# Altium PCB project.PcbDoc
Units mil, origin at the board's own origin, x right, y up, seen from the top; angles counter-clockwise.
Board outline 3310 x 3070 mil, 2 copper layers (Top Layer, Bottom Layer); 45 components, 94 nets, 295 pads, 35 vias.
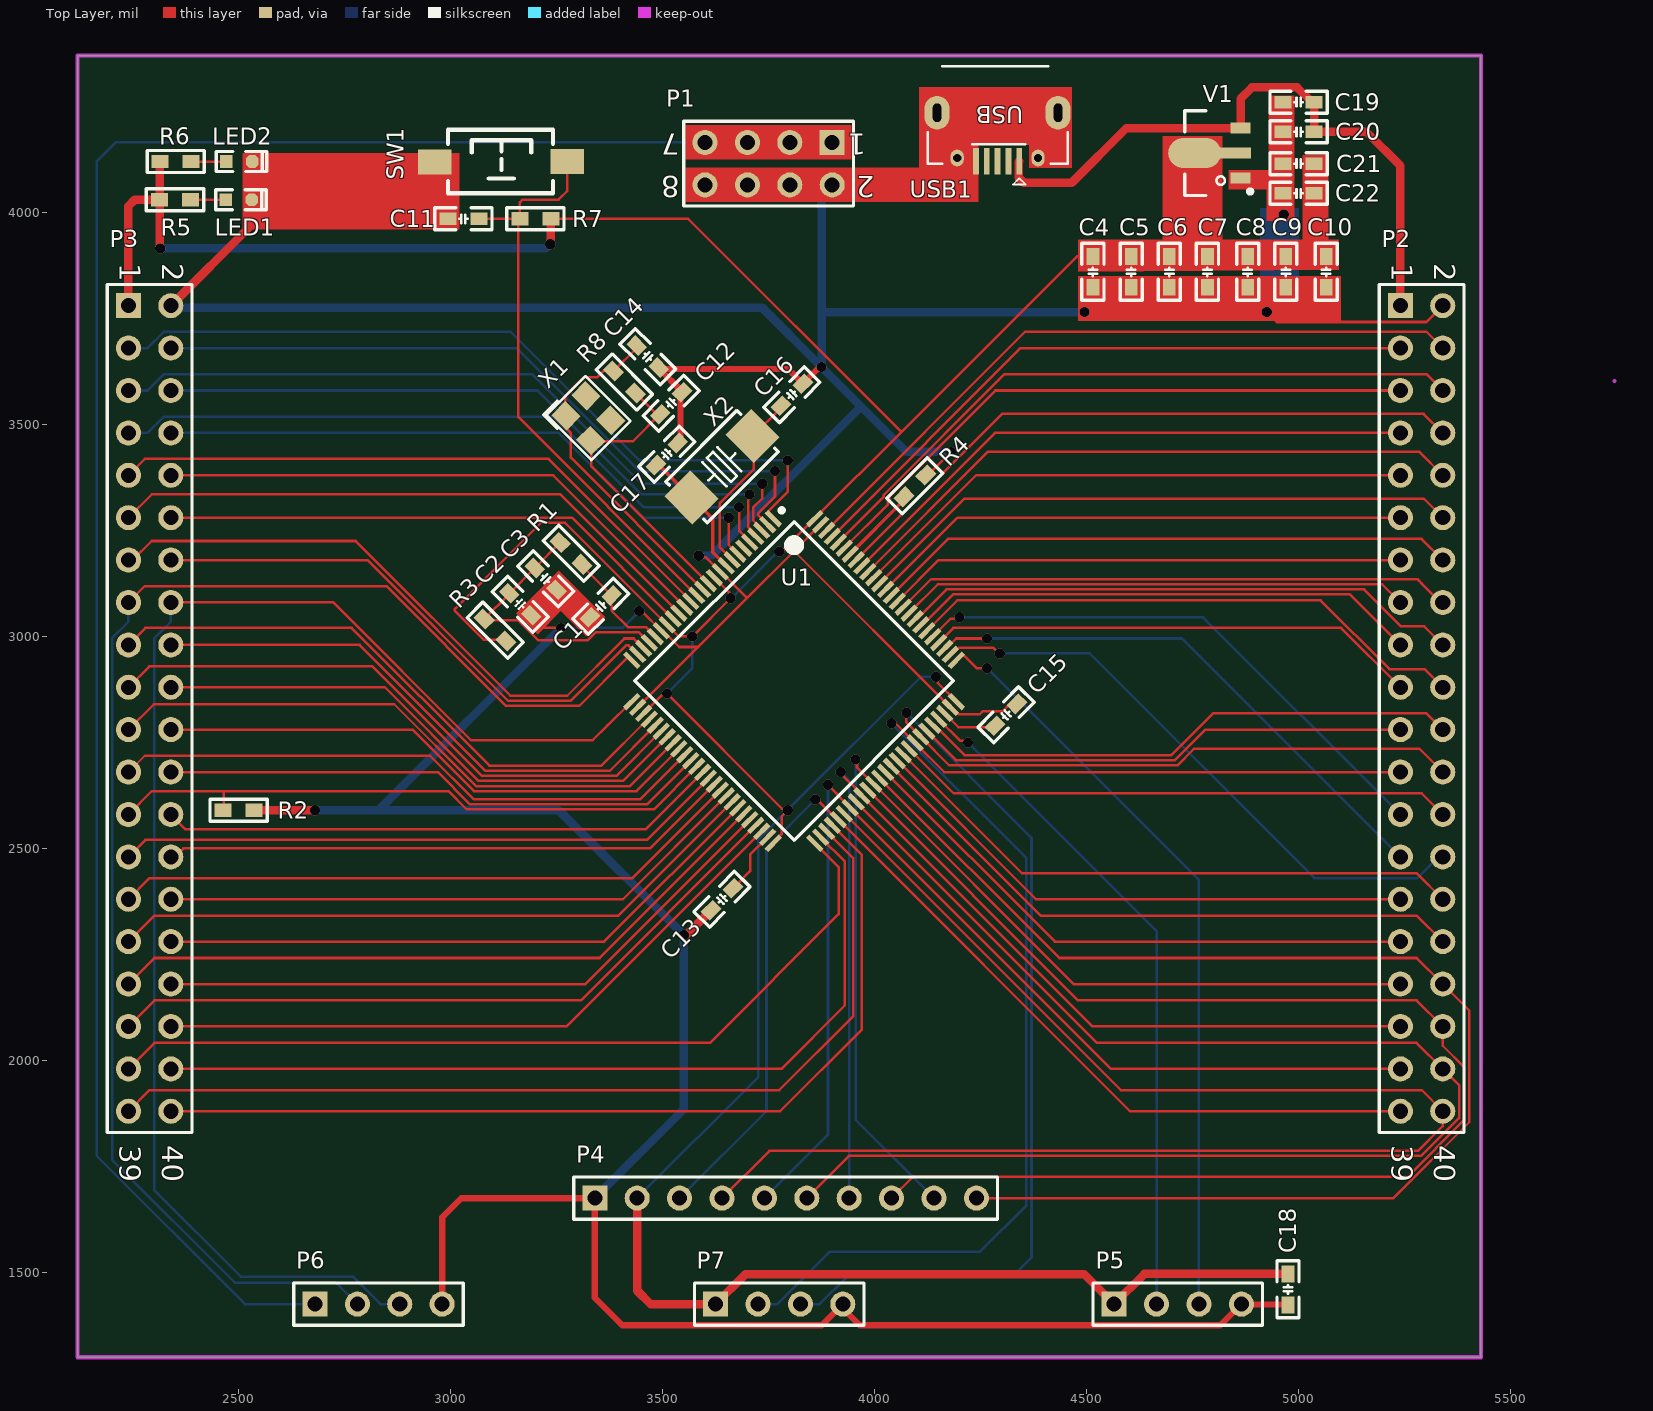
[diagram p0: Top Layer view]
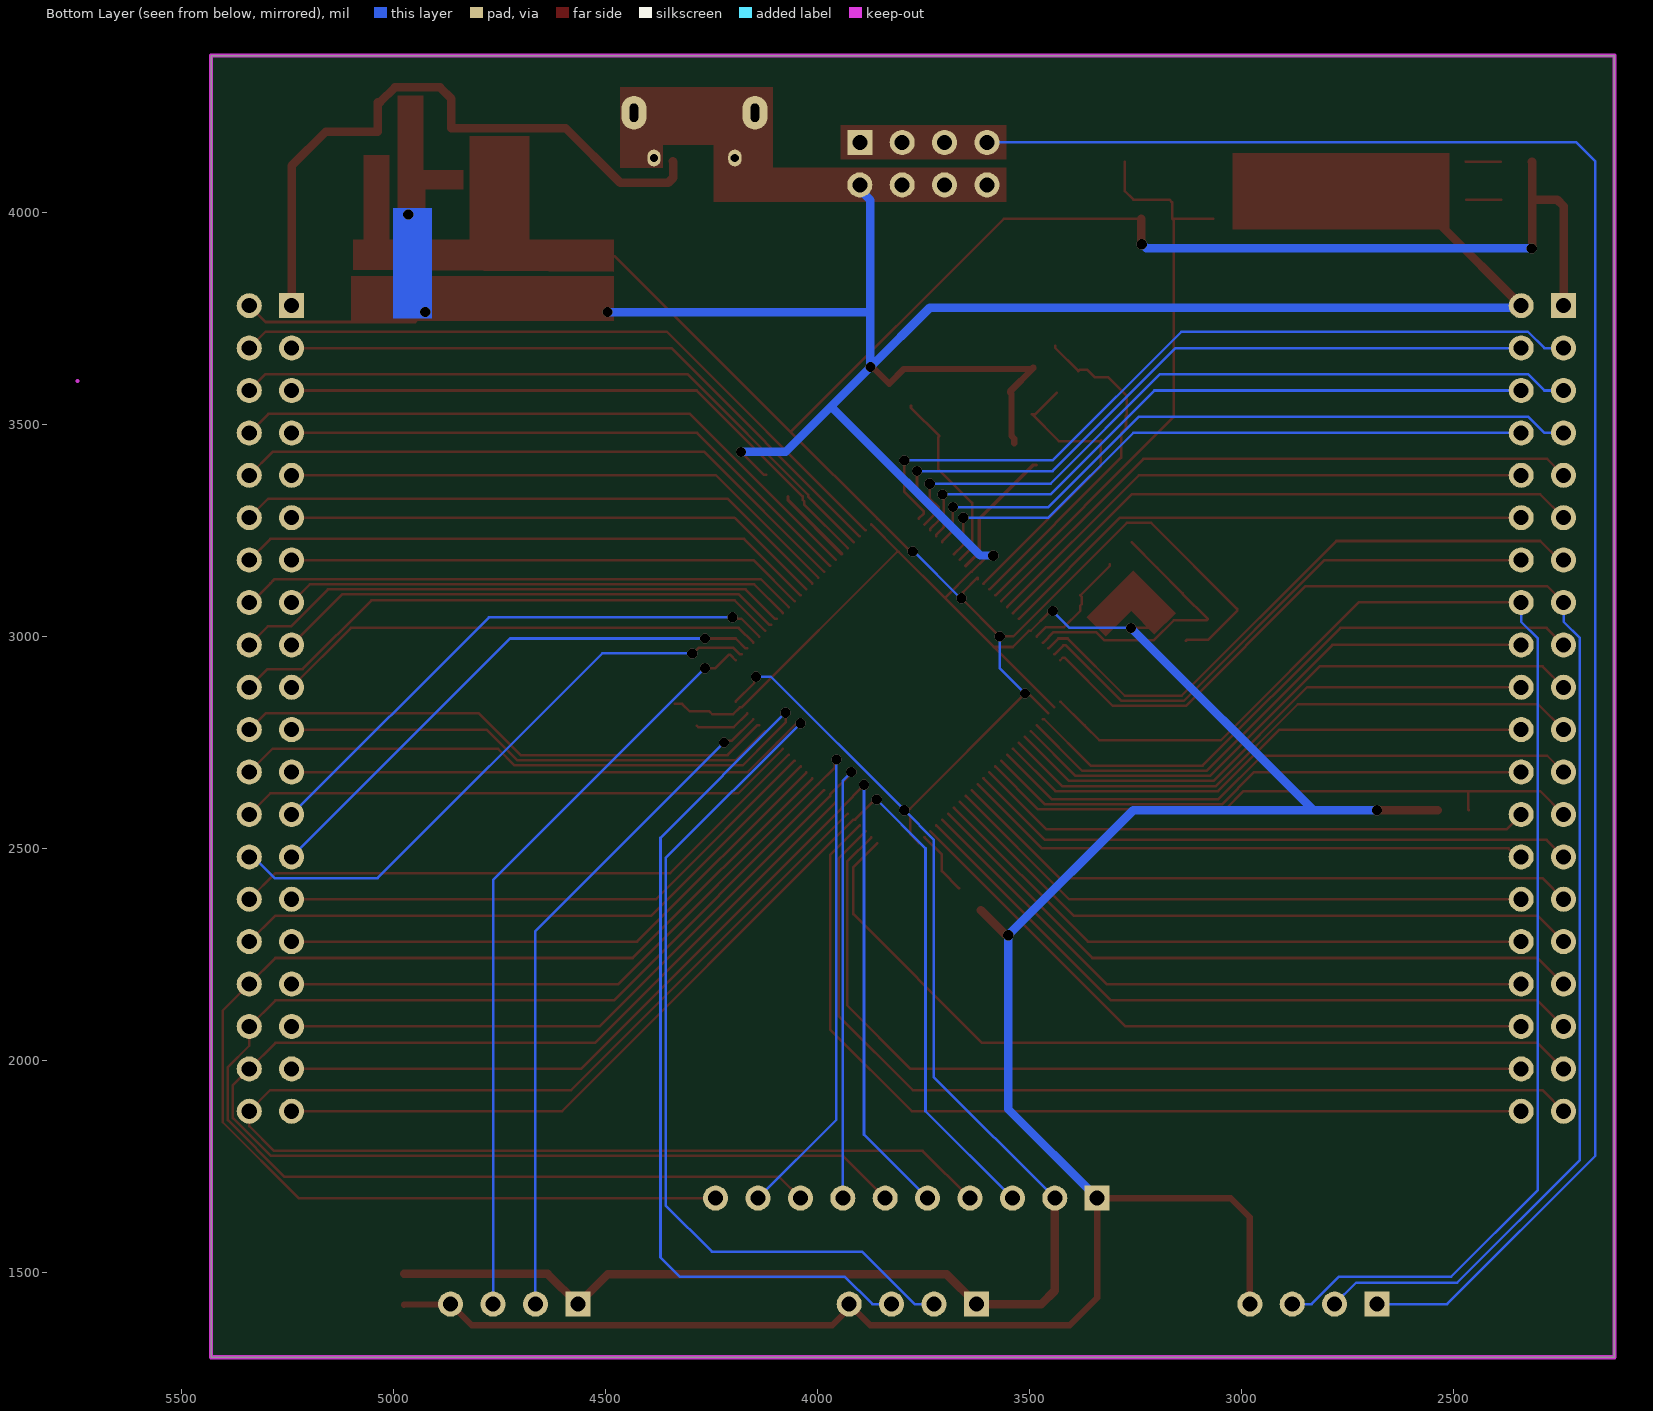
[diagram p1: Bottom Layer view, seen from below]
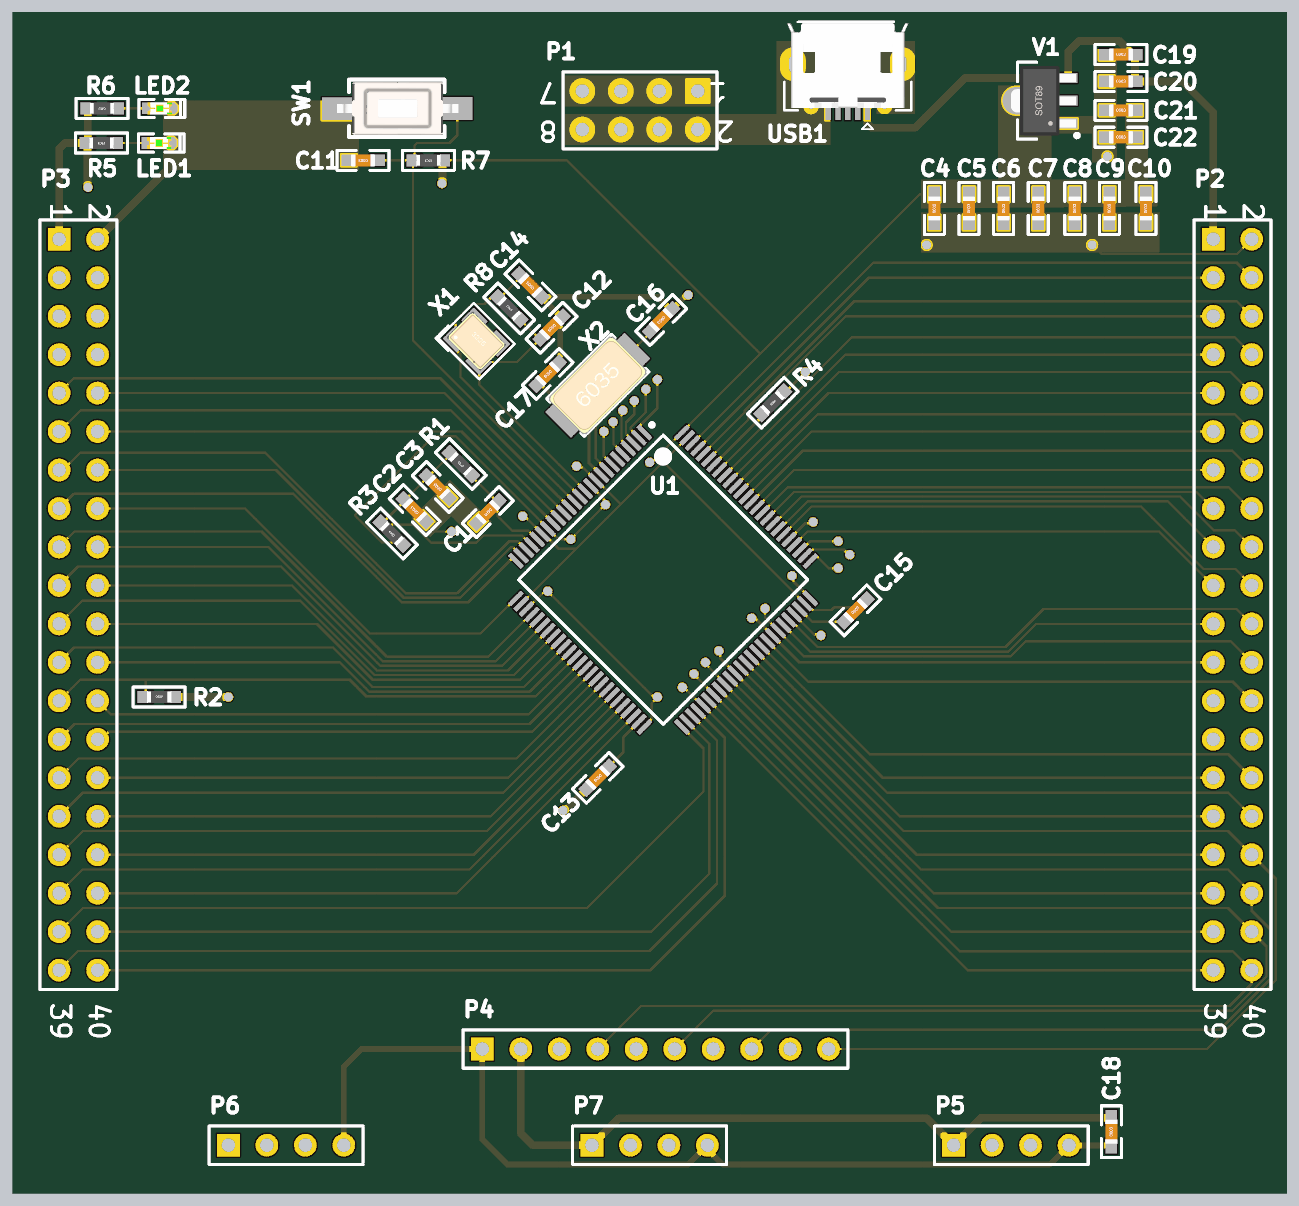
[diagram p2: 3D render of the assembled board from above, using the file's embedded part models]

## Layer stack, top to bottom
Top Solder: solder mask 0.4, Solder Resist, Dk 3.5
Top Layer: signal copper 1.4
Dielectric 1: dielectric 12.6, FR-4, Dk 4.8
Bottom Layer: signal copper 1.4
Bottom Solder: solder mask 0.4, Solder Resist, Dk 3.5

## Board outline
2120,1300 2120,4370 5430,4370 5430,3602.5 5430,3607.5 5430,2072.5 5430,1300

## Design rules (kind name [scope] priority, off if disabled: settings)
Clearance [All] p1: gap=6 ignorepadtopadclearanceinfootprint=FALSE except(0: Arc-Hole Track-Hole SMDPad-Hole THPad-Hole Via-Hole Fill-Hole Poly-Hole Region-Hole Text-Hole)
ComponentClearance [All] p1: gap=0 collisioncheckmode=3 verticalgap=0 showdistances=FALSE
MinimumSolderMaskSliver [All] p1: minsoldermaskwidth=0
PolygonConnect [All] p1: connectstyle=Direct reliefconductorwidth=10 reliefentries=4 polygonreliefangle="90 Angle" airgapwidth=10
RoutingVias [All] p1: holewidth=12 width=24 viastyle="Through Hole" minholewidth=10 minwidth=20 maxholewidth=25 maxwidth=50
SilkToSilkClearance [All] p1: silktosilkclearance=0
SilkToSolderMaskClearance [IsPad] p1: minsilkscreentomaskgap=0 clearancetoexposedcopper=TRUE
SolderMaskExpansion [All] p1: expansion=4 istentingtop=FALSE
Width GND [InNet('GND')] p1: maxlimit=50 minlimit=6 preferedwidth=20
Width 3V [InNet('3V3')] p2: maxlimit=50 minlimit=6 preferedwidth=20
Width 5V [InNet('5V')] p3: maxlimit=50 minlimit=6 preferedwidth=20
Width Signal [All] p4: maxlimit=20 minlimit=6 preferedwidth=6
26 further rules are at their usual default settings.

## Components (designator, comment, footprint, x,y, rotation, side; value= is the part's Value field where it differs from the comment)
C1 "104" C0603_M 3354.19,3070.81 r225 top
C2 "104" C0603_M 3164.19,3075.81 r135 top
C3 "106" C0603_M 3224.19,3135.81 r135 top
C4 "104" C0603_M 4515,3860 r90 top
C5 "104" C0603_M 4605,3860 r90 top
C6 "104" C0603_M 4695,3860 r90 top
C7 "104" C0603_M 4785,3860 r90 top
C8 "104" C0603_M 4880,3860 r90 top
C9 "104" C0603_M 4970,3860 r90 top
C10 "104" C0603_M 5065,3860 r90 top
C11 "104" C0603_M 3030,3985 r180 top
C12 "22pF" C0603_M 3520,3550 r225 top
C13 "2.2uF" C0603_M 3640,2380 r225 top
C14 "22pF" C0603_M 3465,3660 r135 top
C15 "2.2uF" C0603_M 4310,2815 r45 top
C16 "12pF" C0603_M 3805,3570 r225 top
C17 "12pF" C0603_M 3510,3430 r225 top
C18 "104" C0603_M 4975,1460 r90 top
C19 "106" C0603_M 5000,4260 r0 top
C20 "104" C0603_M 5000,4190 r0 top
C21 "106" C0603_M 5000,4115 r0 top
C22 "104" C0603_M 5000,4045 r0 top
LED1 "LED" LED0603_R 2500,4030 r0 top
LED2 "LED" LED0603_R 2501.5,4120 r0 top
P1 "JP7" HDR2X4 3900,4165 r180 top
P2 "JP4" HDR2X20 5240,3780 r270 top
P3 "JP5" HDR2X20 2240,3780 r270 top
P4 "JP2" HDR1X10 3340,1675 r0 top
P5 "JP1" HDR1X4 4565,1425 r0 top
P6 "JP3" HDR1X4 2680,1425 r0 top
P7 "JP6" HDR1X4 3625,1425 r0 top
R1 "0R" R0603_M 3284.19,3195.81 r135 top
R2 "10K" R0603_M 2500,2590 r0 top
R3 "0R" R0603_M 3105,3015 r135 top
R4 "10K" R0603_M 4095,3355 r225 top
R5 "510R" R0603_M 2350,4030 r180 top
R6 "510R" R0603_M 2351.5,4120 r180 top
R7 "10K" R0603_M 3200,3985 r180 top
R8 "1K" R0603_M 3410,3600 r315 top
SW1 "3x6x5" "SW SMD-3*6*2.5" 3120,4120 r0 top
U1 "STM32F407VET6" LQFP100_V 3810,2895 r315 top
USB1 "USB-5P" USB-MICRO_A 4290,4235 r180 top
V1 "AMS1117-3V3" SOT89_L 4851.11,4140 r90 top
X1 "8MHz" "OSC 3225-4P" 3325,3515 r315 top
X2 "32.768K" "OSC 6035-2P" 3640,3400 r45 top

## Footprints (in the part's own frame and the unit in brackets; to place one, negate y for a bottom-side part, rotate by r counter-clockwise, add the part's x,y. Pads: shape width x height; smd on the part's side, far side on the other; paste and mask are expansions set on the pad)
C0603_M [mil] "无极性贴片电容"
  rect 40x30 smd: 1(-36.5,0) 2(36.5,0)
  silkscreen extent -67,-26 67,26, body extent -31,-16 32,16, height 33
HDR1X4 [mm] "Connector; Header; 4 Position"
  rect 1.5x1.5 hole 0.9: 1(0,0)
  round 1.5 hole 0.9: 2(2.54,0) 3(5.08,0) 4(7.62,0)
  silkscreen extent -1.27,-1.27 8.89,1.27
HDR1X10 [mm] "Connector; Header; 10 Position"
  rect 1.5x1.5 hole 0.9: 1(0,0)
  round 1.5 hole 0.9: 2(2.54,0) 3(5.08,0) 4(7.62,0) 5(10.16,0) 6(12.7,0) 7(15.24,0) 8(17.78,0) 9(20.32,0) 10(22.86,0)
  silkscreen extent -1.27,-1.27 24.13,1.27
HDR2X4 [mm] "Connector; Header; 4x2 Position"
  rect 1.5x1.5 hole 0.9: 1(0,0)
  round 1.5 hole 0.9: 2(0,2.54) 3(2.54,0) 4(2.54,2.54) 5(5.08,0) 6(5.08,2.54) 7(7.62,0) 8(7.62,2.54)
  silkscreen extent -1.27,-1.27 8.89,3.81
HDR2X20 [mm] "Connector; Header; 20x2 Position"
  rect 1.5x1.5 hole 0.9: 1(0,0)
  round 1.5 hole 0.9: 2(0,2.54) 3(2.54,0) 4(2.54,2.54) 5(5.08,0) 6(5.08,2.54) 7(7.62,0) 8(7.62,2.54) 9(10.16,0) 10(10.16,2.54) 11(12.7,0) 12(12.7,2.54) 13(15.24,0) 14(15.24,2.54) 15(17.78,0) 16(17.78,2.54) 17(20.32,0) 18(20.32,2.54) 19(22.86,0) 20(22.86,2.54) 21(25.4,0) 22(25.4,2.54) 23(27.94,0) 24(27.94,2.54) 25(30.48,0) 26(30.48,2.54) 27(33.02,0) 28(33.02,2.54) 29(35.56,0) 30(35.56,2.54) 31(38.1,0) 32(38.1,2.54) 33(40.64,0) 34(40.64,2.54) 35(43.18,0) 36(43.18,2.54) 37(45.72,0) 38(45.72,2.54) 39(48.26,0) 40(48.26,2.54)
  silkscreen extent -1.27,-1.27 49.53,3.81
LED0603_R [mil] "红色0603LED"
  rect 30x30 smd: 1(-30.59,0)
  oct 30x30 smd: 2(30.59,0)
  silkscreen extent -54,-24 65,24, body extent -32,-16 31,16, height 24
LQFP100_V [mm] "Thin QFP, 100-Leads, Body 14x14mm, Pitch 0.5mm, ST Recommended封装库来自淘宝 ID：黄晶宝石"
  rect 1.2x0.3 smd: 1(-7.75,6) 2(-7.75,5.5) 3(-7.75,5) 4(-7.75,4.5) 5(-7.75,4) 6(-7.75,3.5) 7(-7.75,3) 8(-7.75,2.5) 9(-7.75,2) 10(-7.75,1.5) 11(-7.75,1) 12(-7.75,0.5) 13(-7.75,0) 14(-7.75,-0.5) 15(-7.75,-1) 16(-7.75,-1.5) 17(-7.75,-2) 18(-7.75,-2.5) 19(-7.75,-3) 20(-7.75,-3.5) 21(-7.75,-4) 22(-7.75,-4.5) 23(-7.75,-5) 24(-7.75,-5.5) 25(-7.75,-6) 51(7.75,-6) 52(7.75,-5.5) 53(7.75,-5) 54(7.75,-4.5) 55(7.75,-4) 56(7.75,-3.5) 57(7.75,-3) 58(7.75,-2.5) 59(7.75,-2) 60(7.75,-1.5) 61(7.75,-1) 62(7.75,-0.5) 63(7.75,0) 64(7.75,0.5) 65(7.75,1) 66(7.75,1.5) 67(7.75,2) 68(7.75,2.5) 69(7.75,3) 70(7.75,3.5) 71(7.75,4) 72(7.75,4.5) 73(7.75,5) 74(7.75,5.5) 75(7.75,6)
  rect 0.3x1.2 smd: 26(-6,-7.75) 27(-5.5,-7.75) 28(-5,-7.75) 29(-4.5,-7.75) 30(-4,-7.75) 31(-3.5,-7.75) 32(-3,-7.75) 33(-2.5,-7.75) 34(-2,-7.75) 35(-1.5,-7.75) 36(-1,-7.75) 37(-0.5,-7.75) 38(0,-7.75) 39(0.5,-7.75) 40(1,-7.75) 41(1.5,-7.75) 42(2,-7.75) 43(2.5,-7.75) 44(3,-7.75) 45(3.5,-7.75) 46(4,-7.75) 47(4.5,-7.75) 48(5,-7.75) 49(5.5,-7.75) 50(6,-7.75) 76(6,7.75) 77(5.5,7.75) 78(5,7.75) 79(4.5,7.75) 80(4,7.75) 81(3.5,7.75) 82(3,7.75) 83(2.5,7.75) 84(2,7.75) 85(1.5,7.75) 86(1,7.75) 87(0.5,7.75) 88(0,7.75) 89(-0.5,7.75) 90(-1,7.75) 91(-1.5,7.75) 92(-2,7.75) 93(-2.5,7.75) 94(-3,7.75) 95(-3.5,7.75) 96(-4,7.75) 97(-4.5,7.75) 98(-5,7.75) 99(-5.5,7.75) 100(-6,7.75)
  silkscreen extent -7.87,-6.75 6.75,6.82, body extent -7,-7 7,7, height 1.6
"OSC 3225-4P" [mm] "3.2*2.5*0.7mm(长宽高)"
  rect 1.3x1.2 smd: 1(-1.05,-0.85) 2(1.05,-0.85) 3(1.05,0.85) 4(-1.05,0.85)
  silkscreen extent -2.03,-1.75 1.9,1.65, body extent -1.6,-1.25 1.6,1.25, height 0.7
"OSC 6035-2P" [mm] "6mm*3.5mm*1mm(长*宽*高)"
  rect 2.2x2.4 smd: 1(-2.6,0) 2(2.6,0)
  silkscreen extent -3,-1.75 3.02,1.75, body extent -3,-1.75 3,1.75, height 1.06
R0603_M [mil] "1/10W贴片电阻"
  rect 40x31.5 smd: 1(-36.5,0) 2(36.5,0)
  silkscreen extent -67,-26 67,26, body extent -31,-16 32,16, height 16
SOT89_L [mm] "4.6x4.3x1.6mm(长宽高)"
  rect 0.66x1.2 smd: 1(-1.5,-0.303) 3(1.5,-0.303)
  oval 1.8x3.175 smd: 2(0,2.441)
  rect 0.66x2.1 smd: 2(0,0.127)
  silkscreen extent -2.54,-1 2.54,3.05, body extent -2.3,-0.83 2.3,3.48, height 1.6
"SW SMD-3*6*2.5" [mm] "3*6*2.5mm"
  rect 2x1.5 smd: 1(-3.996,-0.02) 2(3.937,0)
  silkscreen extent -3.21,-1.9 3.09,1.9, body extent -4,-1.75 4,1.75, height 2.59
USB-MICRO_A [mm] "micro型USB ，5.7*7.8*2.5mm"
  rect 0.35x1.6 smd: 1(-1.3,2.9) 2(-0.65,2.9) 3(0,2.9) 4(0.65,2.9) 5(1.3,2.9)
  oval 1.5x2 hole 0.5 slot 1.1 at 90 deg: 5(-3.625,0) 5(3.625,0)
  oval 0.8x1 hole 0.5: 5(-2.425,2.71) 5(2.425,2.71)
  silkscreen extent -4.19,-2.79 4.19,4.3, body extent -4,-2.71 4,2.89, height 2.8

## Part data
C1 C2 C3 C4 C5 C6 C7 C8 C9 C10 C11 C12 C13 C14 C15 C16 C17 C18 C19 C20 C21 C22: library part C, "贴片电容", BOM名称=无极性贴片电容, 联系卖家，免费查找封装=唯一出售店铺网址https://shop463601444.taobao.com
LED1 LED2: "发光二极管", 封装库来自淘宝卖家 ID：黄晶宝石=其他店铺购入均为假冒，请立即申请退款，本店奖励现金5~20元
P1: library part "Header 4X2", "Header, 4-Pin, Dual row", LatestRevisionDate=17-Jul-2002, LatestRevisionNote="Re-released for DXP Platform.", Publisher="Altium Limited"
P2 P3: library part "Header 20X2", "Header, 20-Pin, Dual row", LatestRevisionDate=17-Jul-2002, LatestRevisionNote="Re-released for DXP Platform.", Publisher="Altium Limited"
P4: library part "Header 10", "Header, 10-Pin", LatestRevisionDate=17-Jul-2002, LatestRevisionNote="Re-released for DXP Platform.", Publisher="Altium Limited"
P5 P6 P7: library part "Header 4", "Header, 4-Pin", LatestRevisionDate=17-Jul-2002, LatestRevisionNote="Re-released for DXP Platform.", Publisher="Altium Limited"
R1 R2 R3 R4 R5 R6 R7 R8: library part R, "贴片电阻", BOM名称=贴片电阻, 封装库来自淘宝卖家ID：黄晶宝石=其他店铺购入均为盗版假冒封装库，请立即申请退款, 联系卖家，免费查找封装=唯一出售店铺网址https://shop463601444.taobao.com
SW1: library part SW-PB, "微动开关", BOM名称=3x6轻触开关, 联系卖家，免费查找封装=唯一出售店铺网址https://shop463601444.taobao.com
U1: "ARM Cortex-M4 32b MCU+FPU, 210DMIP, 512 kB Flash, 192+4 kB RAM, Camera, 82 I/Os, 100-pin LQFP, -40 to +85癈, Tray", Operating Frequency (Processor Speed)=168MHz, 16-bit Timers (IC/OC/PWM)=12x16-bit(24/24/30), 32-bit Timer (IC/OC/PWM)="2x32-bit (8/8/8)", A/D Converter=16x12-bit, ComponentLink1Description="Manufacturer URL", ComponentLink1URL=http://www.st.com/, ComponentLink2Description="STM32F405/7 Datasheet", ComponentLink2URL=http://www.st.com/internet/com/TECHNICAL_RESOURCES/TECHNICAL_LITERATURE/DATASHEET/DM00037051.pdf, ComponentLink3Description="STM32F4 Web Page", ComponentLink3URL=http://www.st.com/internet/mcu/subclass/1521.jsp, D/A Converter=2x12-bit, DatasheetVersion="rev2, Jan-2012", Internal RAM=192kB, Other Timer Functions="2xWDG, RTC, 24-bit down counter", PackageDescription="100-Pin Low Profile Quad Flat Package, 14x14 mm Body, 0.5 mm Pitch", PackageReference=LQFP100, PackageVersion=2012, Serial Interface="3xSPI/2xI2S/2xI2C/3xUSART(IrDa, ISO7816)/3xUART/2xUSB OTG FS/HS, 2xCAN/Ethernet MAC10/100, SDIO", 联系卖家，免费查找封装=唯一出售店铺网址https://shop463601444.taobao.com
USB1: "微型USB母座", BOM名称=微型USB母座, 联系卖家，免费技术支持=唯一出售店铺网址https://shop463601444.taobao.com
V1: library part AMS1117_SOT89, "三端稳压芯片", BOM名称=稳压芯片, 封装库来自淘宝卖家 ID：黄晶宝石=其他店铺购入均为盗版，请立即申请退款，本店现金奖励5~20元, 联系卖家 免费查找封装=唯一出售店铺网址https://shop463601444.taobao.com
X1 X2: library part XTAL-2P, "2脚无源脚晶振", BOM名称=2脚无源脚晶振, 学习资源=www.ooocke.com, 版权归属=源创客

## Via types
v1: diameter 24, hole 24, Top Layer to Bottom Layer, 35 vias

## Nets (pads, with @x,y where several pads share a name; then routed paths per layer and width w, separated by ;. In a path a pad name is that pad's centre, name@x,y a point inside that pad or via, vN(x,y) a via of type N, cw(c..) or ccw(c..) an arc to the next point about the centre after c; other vN are vias at no path point)
3V3: C4.2 C5.2 C6.2 C7.2 C8.2 C9.2 C10.2 C18.2 C21.2 C22.2 P3.1 P4.2 P5.1 P7.1 R3.1 R5.2 R6.2 R7.1 U1.11 U1.19 U1.28 U1.50 U1.75 U1.100 V1.2 | length 9035.3
  Top Layer w6: R3.1 3127.8,2992.2 3077.8,2992.2 3009.99,3060.01 3009.99,3064.99 3213,3268 3269.97,3268 3537.97,3000 v1(3570,3000) v1(3660,3090) 3656.56,3093.44 3656.56,3104.12 U1.11 U1.11@3622.09,3134.48 ; R7.1 3560,3985 4062.97,3482.03 ; U1.28 3498.17,2861.56 3506.56,2861.56 v1(3510,2865) 3781.56,2593.44 3791.56,2593.44 v1(3795,2590) 3795,2588.85 3780.73,2574.57 3780.73,2533.61 3761.28,2514.16 U1.50 ; v1(3775,3200) 3778.44,3203.44 3784.38,3203.44 U1.100 4062.97,3482.03 ; v1(4145,2905) 4148.44,2901.56 4148.44,2890.62 U1.75 ; C4.2 4477.43,3896.5 4062.97,3482.03
  Top Layer w20: P3.1 2240,4015 2255,4030 R5.2 ; v1(2315,3915) 2315,3916.08 2313.5,3917.58 R5.2 ; R6.2 2314.25,4119.25 2314.25,4030.75 R5.2 ; v1(3235,3925) 3235,3926.08 3236.5,3927.58 R7.1 ; P4.2 3440,1456.72 3471.72,1425 P7.1 3695,1495 4495,1495 P5.1 4636.5,1496.5 C18.2
  Bottom Layer w6: P4.2 3725,1960 3725,2520 v1(3795,2590) 4110,2905 v1(4145,2905) ; v1(3510,2865) 3570,2925 v1(3570,3000) ; v1(3660,3090) 3662.5,3090 3772.5,3200 v1(3775,3200)
  Bottom Layer w20: v1(2315,3915) 3223.92,3915 3233.92,3925 v1(3235,3925)
5V: C19.2 C20.2 P2.1 USB1.1 V1.3 | length 1525.7
  Top Layer w20: USB1.1 4340,4119.64 4340,4081.72 4351.72,4070 4465,4070 4594.06,4199.06 V1.3 4863.04,4268.04 4890,4295 4996.5,4295 5031.5,4260 C19.2 C20.2 5160,4190 5240,4110 P2.1
GND: C1.2 C2.1 C3.1 C4.1 C5.1 C6.1 C7.1 C8.1 C9.1 C10.1 C11.2 C12.1 C13.2 C14.1 C15.2 C16.1 C17.1 C18.1 C19.1 C20.1 C21.1 C22.1 LED1.2 LED2.2 P1.2 P1.4 P1.6 P1.8 P2.2 P3.2 P4.1 P5.4 P6.4 P7.4 R2.2 R4.1 SW1.1 U1.10 U1.20 U1.27 U1.74 U1.99 USB1.5 V1.1 | length 12728.8
  Top Layer w6: C2.1 3220,3020 v1(3260,3020) ; U1.27 3583.77,2975 ; v1(3445,3060) 3448.44,3056.56 3453.57,3056.56 U1.20 3500.92,3013.31 3539.24,2975 3583.77,2975 ; v1(3585,3190) 3588.44,3186.56 3601.96,3186.56 U1.10 3637.49,3152.51 3699.39,3090.61 ; U1.99 3808.34,3199.57 ; R4.1 4125.81,3380.81 v1(4180,3435) ; C15.2 4318.84,2840.81 4300.97,2822.94 4254.54,2822.94 4248.01,2816.4 4198.93,2816.4 4182.97,2832.36 U1.74 3811.66,3199.57 3808.34,3199.57 ; v1(4925,3765) 4948.53,3741.47 5301.47,3741.47 P2.2 ; 3583.77,2975 3699.39,3090.61 ; 3699.39,3090.61 3808.34,3199.57
  Top Layer w15: SW1.1 2962.69,4010.81 2988.5,3985 C11.2 ; P6.4 2980,1630 3025,1675 P4.1 3340,1440 3405,1375 3875,1375 P7.4 3925,1415 3965,1375 4815,1375 P5.4 4865.75,1424.25 4974.25,1424.25 C18.1 ; C17.1 3535.81,3466.42 3542.27,3472.88 3542.27,3572.27 C12.1 3545.81,3577.5 3490.81,3632.5 C14.1 3494.34,3630.66 3795.96,3630.66 C16.1 3868.28,3633.28 3873.28,3633.28 v1(3875,3635)
  Top Layer w20: P3.2 2530.59,3970.59 LED1.2 2531.34,4030.75 2531.34,4119.25 LED2.2 2532.48,4119.6 2962.3,4119.6 SW1.1 ; R2.2 v1(2680,2590) ; v1(3550,2295) 3550.77,2295.77 3555.77,2295.77 C13.2 ; USB1.5@4194.53,4124.37 USB1.5@4194.53,4128.31
  Bottom Layer w6: v1(3260,3020) 3405,3020 v1(3445,3060) ; P1.2@3900,4053.63 P1.2
  Bottom Layer w20: P3.2 2345,3775 3735,3775 v1(3875,3635) ; v1(2680,2590) 2830,2590 ; v1(3260,3020) 2830,2590 ; P4.1 3550,1885 v1(3550,2295) 3255,2590 2830,2590 ; v1(3585,3190) 3585.77,3190.77 3615.77,3190.77 3967.5,3542.5 ; P1.2@3900,4053.63 3875,4028.63 3875,3765 ; v1(4180,3435) 4075,3435 3967.5,3542.5 ; v1(4495,3765) 3875,3765 ; v1(3875,3635) 3967.5,3542.5 ; v1(3875,3635) 3875,3765
  other v1: 4965,3995
NetC1_1: C1.1 R1.1 U1.21 | length 269.9
  Top Layer w6: R1.1 3310,3166.62 C1.1 3376.46,3093.08 3376.46,3076.11 3380,3072.58 3380,3060 3418,3022 3460.29,3022 U1.21
NetC11_1: C11.1 R7.2 SW1.2 U1.14 | length 1391.5
  Top Layer w6: C11.1 R7.2 ; SW1.2 3275,4050.37 3254.63,4030 3170,4030 3163.5,4023.5 R7.2 ; U1.14 3160,3517.16 3160,3981.5 R7.2
NetC12_2: C12.2 R8.2 U1.12 X1.2 | length 720
  Top Layer w6: X1.2 X1.2@3331.96,3460.72 ; R8.2 3485.81,3524.19 C12.2 3430.71,3460.72 X1.2@3331.96,3460.72 ; U1.12 3331.96,3400.88 X1.2@3331.96,3460.72
NetC13_1: C13.1 U1.49 | length 154.1
  Top Layer w6: C13.1 3706.33,2446.33 3706.33,2485.1 U1.49
NetC14_2: C14.2 R8.1 U1.13 X1.1 | length 814
  Top Layer w6: C14.2 3439.19,3680.81 R8.1 3381.18,3628.82 3363.16,3628.82 3346.03,3611.69 3314.31,3611.69 3270.72,3568.09 3270.72,3521.96 X1.1 3272.11,3491.4 3283.5,3480.01 3283.5,3421.5 U1.13
NetC15_1: C15.1 U1.73 | length 134.3
  Top Layer w6: U1.73 4197.73,2785.66 4280.66,2785.66 C15.1
NetLED1_1: LED1.1 R5.1 | length 82.9
  Top Layer w6: R5.1 LED1.1
NetLED2_1: LED2.1 R6.1 | length 82.9
  Top Layer w6: R6.1 LED2.1
NetR4_2: R4.2 U1.94 | length 187.5
  Top Layer w8: U1.94 4069.19,3321.22 R4.2
PA0: P3.13 U1.23 | length 1450.5
  Top Layer w6: P3.13 2250,3180 2295,3225 2775.91,3225 3140.91,2860 3275,2860 3410,2995 3431.61,2995 U1.23
PA1: P3.14 U1.24 | length 1301.7
  Top Layer w6: P3.14 2803.94,3180 3135.94,2848 3283,2848 3413.94,2978.94 3419.83,2978.94 U1.24
PA2/USART2_TX: P3.15 P6.2 U1.25 | length 3419.8
  Top Layer w6: P3.15 2278.53,3118.53 2848.44,3118.53 3130.97,2836 3303.39,2836 3417.11,2949.72 3421.22,2949.72 U1.25
  Bottom Layer w6: P3.15 2240,3034.49 2201.47,2995.96 2201.47,1765.5 2491.44,1475.53 2729.47,1475.53 P6.2
PA3/USART2_RX: P3.16 P6.3 U1.26 | length 3352.1
  Top Layer w6: P3.16 2723.2,3080 3048.2,2755 3335,2755 3370,2790 3370.47,2790 3426.28,2845.81 3426.28,2846.28 U1.26
  Bottom Layer w6: P3.16 2340,3034.49 2301.47,2995.96 2301.47,1693.53 2505,1490 2769.49,1490 2834.49,1425 P6.3
PA4: P3.17 U1.29 | length 1425.5
  Top Layer w6: P3.17 2280,3020 2766.23,3020 3091.23,2695 3355.34,2695 3464.86,2804.52 U1.29
PA5: P3.18 U1.30 | length 1310.5
  Top Layer w6: P3.18 2785,2980 3082,2683 3375.29,2683 U1.30
PA6: P3.19 U1.31 | length 1428.1
  Top Layer w6: P3.19 2289.47,2929.47 2815.53,2929.47 3074,2671 3391.13,2671 U1.31
PA7: P3.20 U1.32 | length 1305.3
  Top Layer w6: P3.20 2845,2880 3066,2659 3406.97,2659 U1.32
PA8: P2.26 U1.67 | length 1322.7
  Top Layer w6: U1.67 4186.36,2630 5290,2630 P2.26
PA9/USART1_TX: P2.23 P7.2 U1.68 | length 3245.9
  Top Layer w6: v1(4040,2795) 4043.44,2791.56 4052.64,2791.56 U1.68 4164.2,2680 P2.23
  Bottom Layer w6: P7.2 3770.51,1425 3894.35,1548.83 4248.83,1548.83 4358,1658 4358,2477 v1(4040,2795)
PA10/USART1_RX: P2.24 P7.3 U1.69 | length 3366.5
  Top Layer w6: v1(4075,2820) 4075,2797.03 U1.69 4176.03,2696 4714.28,2696 4753.28,2735 5285,2735 P2.24
  Bottom Layer w6: P7.3 3870.51,1425 3935.59,1490.08 4325.08,1490.08 4370,1535 4370,2525 v1(4075,2820)
PA11: P2.21 U1.70 | length 1175.1
  Top Layer w6: U1.70 4191.87,2708 4708,2708 4780,2780 P2.21
PA12: P2.22 U1.71 | length 1288.9
  Top Layer w6: U1.71 4141.22,2790.6 4211.82,2720 4700,2720 4798.53,2818.53 5301.47,2818.53 P2.22
PA13/SWDIO: P5.2 U1.72 | length 1600.9
  Top Layer w6: U1.72 4202.11,2753.44 4216.56,2753.44 v1(4220,2750)
  Bottom Layer w6: v1(4220,2750) 4665,2305 P5.2
PA14/SWCLK: P5.3 U1.76 | length 1797.5
  Top Layer w6: U1.76 4205.31,2956.25 4209.42,2956.25 4240.67,2925 v1(4265,2925)
  Bottom Layer w6: v1(4265,2925) 4765,2425 P5.3
PA15: P2.28 U1.77 | length 1413.6
  Top Layer w6: U1.77 4182.97,2957.64 4198.93,2973.6 4278.9,2973.6 4292.5,2960 v1(4295,2960)
  Bottom Layer w6: v1(4295,2960) 4507.44,2960 5037.44,2430 5280,2430 5330,2480 P2.28
PB0: P3.23 U1.35 | length 1414.4
  Top Layer w6: P3.23 2278.53,2718.53 2951.47,2718.53 3054,2616 3447.48,2616 U1.35
PB1: P3.24 U1.36 | length 1300.6
  Top Layer w6: P3.24 2970,2680 3046,2604 3463.32,2604 U1.36
PB2: P3.25 R2.1 U1.37 | length 1468.4
  Top Layer w6: P3.25 2295,2635 2465,2635 ; R2.1 2465,2591.5 2465,2635 ; U1.37 3479.16,2592 3038,2592 2995,2635 2465,2635
PB3: P2.12 U1.89 | length 1429.8
  Top Layer w6: U1.89 4212.16,3325 5295,3325 5296.32,3323.68 P2.12
PB4: P2.9 U1.90 | length 1342.1
  Top Layer w6: U1.90 4239.32,3380 P2.9
PB5: P2.10 U1.91 | length 1495.8
  Top Layer w6: U1.91 4266.48,3435 5285,3435 P2.10
PB6: P2.7 U1.92 | length 1399.8
  Top Layer w6: U1.92 4283.64,3480 P2.7
PB7: P2.8 U1.93 | length 1545.2
  Top Layer w6: U1.93 4300.8,3525 5295,3525 P2.8
PB8: P2.5 U1.95 | length 1474.6
  Top Layer w6: U1.95 4031.49,3311.37 4031.49,3318.72 4034.91,3322.14 4034.91,3329.91 4285,3580 P2.5
PB9: P2.6 U1.96 | length 1608.3
  Top Layer w6: U1.96 4022.05,3329.76 4022.05,3334.02 4306.56,3618.53 5301.47,3618.53 P2.6
PB10: P3.35 U1.47 | length 1675.9
  Top Layer w6: P3.35 2301.47,2141.47 3307.02,2141.47 U1.47
PB11: P3.36 U1.48 | length 1584
  Top Layer w6: P3.36 3273.39,2080 U1.48
PB12: P3.37 U1.51 | length 2016.7
  Top Layer w6: P3.37 2301.47,2041.47 3611.47,2041.47 3915,2345 3915,2455.93 U1.51
PB13: P3.38 U1.52 | length 2072
  Top Layer w6: P3.38 3780,1980 3930,2130 3930,2468.77 U1.52
PB14: P3.39 U1.53 | length 2264.5
  Top Layer w6: P3.39 2290,1930 2358.67,1930 3775,1930 3950,2105 3950,2476.61 U1.53
PB15: P3.40 U1.54 | length 2219.7
  Top Layer w6: P3.40 3776.97,1880 3970,2073.03 3970,2484.45 U1.54
PC0: P3.9 U1.15 | length 1481.4
  Top Layer w6: P3.9 2278.53,3418.53 3230.79,3418.53 U1.15
PC1: P3.10 U1.16 | length 1341.3
  Top Layer w6: P3.10 3241.48,3380 U1.16
PC2: P3.11 U1.17 | length 1437.3
  Top Layer w6: P3.11 2295,3335 3258.64,3335 U1.17
PC3: P3.12 U1.18 | length 1283.6
  Top Layer w6: P3.12 3285.8,3280 U1.18
PC4: P3.21 U1.33 | length 1431.6
  Top Layer w6: P3.21 2300,2840 2866.97,2840 3059.97,2647 3422.8,2647 U1.33
PC5: P3.22 U1.34 | length 1300
  Top Layer w6: P3.22 2910,2780 3055,2635 3438.64,2635 U1.34
PC6: P2.31 U1.63 | length 1379.6
  Top Layer w6: U1.63 4425,2280 P2.31
PC7: P2.32 U1.64 | length 1471.5
  Top Layer w6: U1.64 4391.37,2341.47 5278.53,2341.47 P2.32
PC8: P2.29 U1.65 | length 1321.9
  Top Layer w6: U1.65 4380.68,2380 P2.29
PC9: P2.30 U1.66 | length 1413.7
  Top Layer w6: U1.66 4347.05,2441.47 5278.53,2441.47 P2.30
PC10: P2.27 U1.78 | length 1298.1
  Top Layer w6: U1.78 4169.05,2971.56 4192.5,2995 v1(4265,2995)
  Bottom Layer w6: v1(4265,2995) 4725,2995 P2.27
PC11: P2.19 U1.79 | length 1161.3
  Top Layer w6: U1.79 4185.55,3020 5100,3020 P2.19
PC12: P2.25 U1.80 | length 1314.4
  Top Layer w6: U1.80 4179.27,3041.56 4196.56,3041.56 v1(4200,3045)
  Bottom Layer w6: v1(4200,3045) 4775,3045 P2.25
PC13: P3.8 U1.7 | length 1493.6
  Top Layer w6: v1(3656,3280) 3656,3216.03 U1.7
  Bottom Layer w6: P3.8 3255,3480 3455,3280 v1(3656,3280)
PC14: C16.2 U1.8 X2.2 | length 437.8
  Top Layer w6: U1.8 3663.85,3181.15 3635,3210 3635,3315 3715.16,3395.16 3715.16,3469.6 X2.2 3779.19,3539.19 C16.2
PC15: C17.2 U1.9 X2.1 | length 310.4
  Top Layer w8: C17.2 3491.05,3404.19 X2.1 3617.8,3277.44 3617.8,3198.56 U1.9
PD0: P2.20 U1.81 | length 1331.4
  Top Layer w6: U1.81 4194.87,3085 5051.97,3085 5214.39,2922.58 5297.42,2922.58 P2.20
PD1: P2.17 U1.82 | length 1209.8
  Top Layer w6: U1.82 4113.38,3027.23 4185.14,3099 5121,3099 P2.17
PD2: P2.18 U1.83 | length 1327.8
  Top Layer w6: U1.83 4099.46,3041.15 4169.3,3111 5154.51,3111 5241.88,3023.63 5296.37,3023.63 P2.18
PD3: P2.15 U1.84 | length 1204.5
  Top Layer w6: U1.84 4149.36,3123 5197,3123 P2.15
PD4: P2.16 U1.85 | length 1322.6
  Top Layer w6: U1.85 4133.52,3135 5280,3135 5283.66,3131.34 5290,3125 5335,3080 5337.49,3080 P2.16
PD5: P2.13 U1.86 | length 1226.6
  Top Layer w6: U1.86 4150.68,3180 P2.13
PD6: P2.14 U1.87 | length 1398.9
  Top Layer w6: U1.87 4172.84,3230 5290,3230 P2.14 P2.14@5323.94,3196.06
PD7: P2.11 U1.88 | length 1284.1
  Top Layer w6: U1.88 4193.24,3278.24 4195.99,3280 P2.11
PD8/TFT_SCL: P2.39 P4.3 U1.55 | length 2757
  Top Layer w6: v1(3860,2615) 3863.64,2615 3910.75,2567.89 U1.55 4602.29,1880 P2.39
  Bottom Layer w6: P4.3 3745,1880 3745,2500 v1(3860,2615)
PD9/TFT_SDA: P2.40 P4.4 U1.56 | length 3507.8
  Top Layer w6: P4.4 3751.6,1786.6 5281.6,1786.6 5339.99,1844.99 P2.40 5290.53,1929.47 4580.65,1929.47 U1.56
PD10/TFT_RES: P2.37 P4.5 U1.57 | length 2665.8
  Top Layer w6: v1(3890,2650) 3890,2648.98 3942.23,2596.75 U1.57 4557.97,1980 P2.37
  Bottom Layer w6: P4.5 3890,1825 v1(3890,2650)
PD11/TFT_DC: P2.38 P4.6 U1.58 | length 3393.4
  Top Layer w6: P4.6 3939.6,1774.6 5289.08,1774.6 5378.53,1864.04 5378.53,1941.47 P2.38 5278.53,2041.47 4524.33,2041.47 U1.58
PD12/TFT_CS: P2.35 P4.7 U1.59 | length 2585.5
  Top Layer w6: v1(3920,2680) 3920,2676.82 3970.07,2626.75 U1.59 4513.64,2080 P2.35
  Bottom Layer w6: v1(3920,2680) 3940,2660 P4.7
PD13/TFT_BL: P2.36 P4.8 U1.60 | length 3255.6
  Top Layer w6: U1.60 4480.01,2141.47 5278.53,2141.47 P2.36 5340,2034.49 5390.53,1983.96 5390.53,1859.07 5256.46,1725 4090,1725 P4.8
PD14/TFT_FS0: P2.33 P4.9 U1.61 | length 2625.3
  Top Layer w6: v1(3955,2710) 3958.44,2706.56 3958.44,2690.88 U1.61 4469.32,2180 P2.33
  Bottom Layer w6: v1(3955,2710) 3955,1860 P4.9
PD15/TFT_CS2: P2.34 P4.10 U1.62 | length 3117.7
  Top Layer w6: U1.62 4435.69,2241.47 5278.53,2241.47 P2.34 5402.53,2117.47 5402.53,1854.1 5223.43,1675 P4.10
PE0: P2.3 U1.97 | length 1523.4
  Top Layer w6: U1.97 4344.45,3680 P2.3
PE1: P2.4 U1.98 | length 1663.5
  Top Layer w6: U1.98 4355.14,3718.53 5301.47,3718.53 P2.4
PE2: P3.3 U1.1 | length 1858.2
  Top Layer w6: U1.1 3748.75,3290.31 3748.75,3294.42 3795,3340.67 v1(3795,3415)
  Bottom Layer w6: P3.3 2285.51,3680 2324.04,3718.53 3141.47,3718.53 3445,3415 v1(3795,3415)
PE3: P3.4 U1.2 | length 1696.6
  Top Layer w6: U1.2 3725.6,3285.63 3725.6,3290.6 3765,3330 v1(3765,3390)
  Bottom Layer w6: P3.4 3155,3680 3445,3390 v1(3765,3390)
PE4: P3.5 U1.3 | length 1745.2
  Top Layer w6: U1.3 3733.44,3254.05 3713.6,3273.9 3713.6,3303.81 3735,3325.21 v1(3735,3360)
  Bottom Layer w6: P3.5 2285.51,3580 2324.04,3618.53 3191.47,3618.53 3450,3360 v1(3735,3360)
PE5: P3.6 U1.4 | length 1574.3
  Top Layer w6: v1(3705,3335) 3701.6,3331.6 3701.6,3258.06 3719.52,3240.14 U1.4
  Bottom Layer w6: P3.6 3205,3580 3450,3335 v1(3705,3335)
PE6: P3.7 U1.5 | length 1637.9
  Top Layer w6: v1(3680,3305) 3681,3304 3681,3248.52 3705.6,3223.92 U1.5
  Bottom Layer w6: P3.7 2285.51,3480 2324.04,3518.53 3241.47,3518.53 3455,3305 v1(3680,3305)
PE7: P3.26 U1.38 | length 1324.4
  Top Layer w6: P3.26 2375,2545 3460,2545 U1.38
PE8: P3.27 U1.39 | length 1444.9
  Top Layer w6: P3.27 2280,2520 3462.84,2520 U1.39
PE9: P3.28 U1.40 | length 1353.1
  Top Layer w6: P3.28 2349.52,2480 2369.52,2500 3470.68,2500 U1.40
PE10: P3.29 U1.41 | length 1502.7
  Top Layer w6: P3.29 2290,2430 3428.52,2430 U1.41
PE11: P3.30 U1.42 | length 1410.8
  Top Layer w6: P3.30 3406.36,2380 U1.42
PE12: P3.31 U1.43 | length 1560.4
  Top Layer w6: P3.31 2301.47,2341.47 3395.67,2341.47 U1.43
PE13: P3.32 U1.44 | length 1468.5
  Top Layer w6: P3.32 3362.03,2280 U1.44
PE14: P3.33 U1.45 | length 1618.1
  Top Layer w6: P3.33 2301.47,2241.47 3351.35,2241.47 U1.45
PE15: P3.34 U1.46 | length 1526.3
  Top Layer w6: P3.34 3317.71,2180 U1.46
VCC: P1.1 P1.3 P1.5 P1.7 P6.1 | length 4458.6
  Bottom Layer w6: P6.1 2515,1425 2165,1775 2165,4120 2210,4165 P1.7
VDDA: C2.2 C3.2 R1.2 R3.2 U1.22 | length 683.5
  Top Layer w6: R1.2 C3.2 C2.2 3138.38,3100 R3.2 3082.2,3037.8 3159.47,3037.8 3206.27,2991 3323.73,2991 3342.73,3010 3442.58,3010 3467.1,2985.48 U1.22
pads on no net: U1.6 USB1.2 USB1.3 USB1.4 X1.3 X1.4

## Keep-outs
Keep-Out Layer:
  lines w10: 5430,3602.5 5430,4370 2120,4370 2120,1300 5430,1300 5430,2072.5 5430,3607.5 ; 5745,3602.5 5745,3602.5

## Other copper
Top Layer:
  region net GND: 2510,4140 2510,3960 3020,3960 3020,4140
  region net GND: 4480,3785 4480,3745 5100,3745 5100,3785
  region net GND: 4925,4020 4925,3980 4990,3980 4990,4020
  region net GND: 4245,4295 4465,4295 4465,4105 4365,4105 4365,4160 4245,4160
  region net GND: 4215,4025 4245,4025 4245,4295 4215,4295
  region net GND: 3945,4105 3945,4025 4215,4025 4215,4295 4105,4295 4105,4105
  region net GND: 3945,4105 3555,4105 3555,4025 3945,4025
  region net VCC: 3945,4205 3945,4125 3555,4125 3555,4205
  region net 3V3: 4680,4180 4820,4180 4820,3935 4680,3935
  region net 3V3: 5010,4135 5010,3935 5070,3935 5070,4135
  region net GND: 4990,4020 4990,4275 4930,4275 4930,4100 4835,4100 4835,4055 4925,4055 4925,4020
  region net GND: 4480,3850 5100,3850 5100,3785 4480,3785
  region net 3V3: 5095,3865 5095,3935 4480,3935 4480,3860
  region net GND: 3155,3055 3255,3155 3365,3045 3320,3000 3260,3060 3205,3005
Bottom Layer:
  region net GND: 4910,4010 4910,3750 5000,3750 5000,4010

## Text inside footprints (layer, text, board x,y; h text height)
P1: Top Overlay "2" at 4000,4085 h50 r180; Top Overlay "1" at 3980,4185 h50 r180; Top Overlay "7" at 3540,4185 h50 r180; Top Overlay "8" at 3540,4085 h50 r180
P2: Top Overlay "39" at 5220,1800 h50 r270; Top Overlay "40" at 5320,1800 h50 r270; Top Overlay "2" at 5320,3880 h50 r270; Top Overlay "1" at 5220,3880 h50 r270
P3: Top Overlay "39" at 2220,1800 h50 r270; Top Overlay "40" at 2320,1800 h50 r270; Top Overlay "2" at 2320,3880 h50 r270; Top Overlay "1" at 2220,3880 h50 r270
USB1: Top Overlay "USB" at 4350,4250.83 h40 r180